# KiCad board S13552_64Ch_Adapter_BGA2803_V2-Pannel.kicad_pcb (continued)
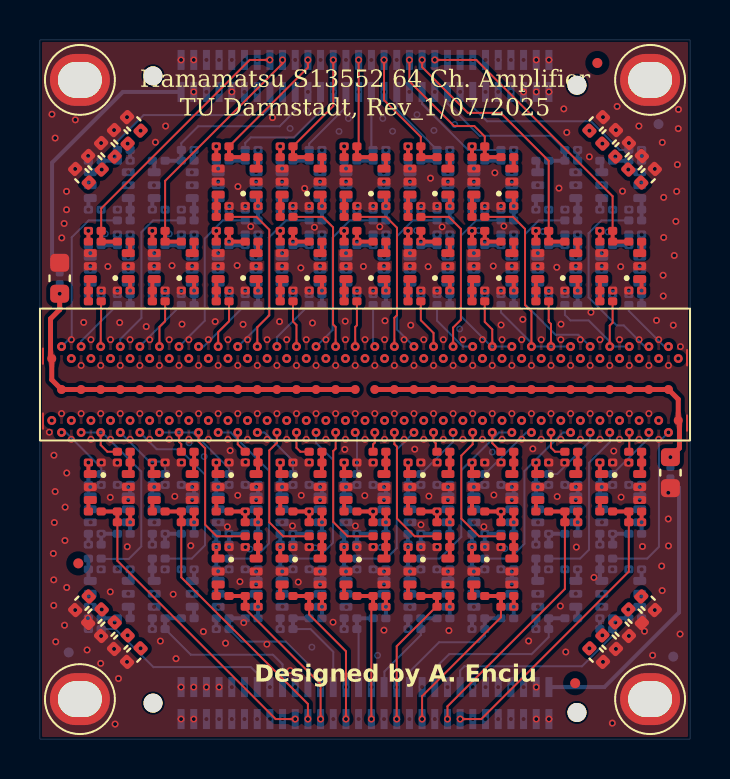
[diagram p0: board, top side]
## Routing (per net, layer and track width the routed paths; a pad name or vN(x,y) marks a point on that pad's centre or on a via; arc(x,y) is an arc through that point) (continued)
Ch_50: length 7.1
  In2.Cu w0.1: v2(7.45,15.95) 7.45,17.08 arc(7.49,17.27) 7.6,17.44 7.79,17.63 arc(7.9,17.8) 7.94,17.99 v1(7.94,19.65)
  Bottom w0.1: v1(7.94,19.65) 8.19,19.65 C238.1
Ch_51: length 4.9
  Top w0.1: v2(6.96,15.35) 6.96,14.88 7.08,14.77 C93.1
  In2.Cu w0.1: v2(7.45,19.05) 7.45,18.08 arc(7.41,17.89) 7.3,17.72 7.11,17.53 arc(7,17.36) 6.96,17.17 v2(6.96,15.35)
Ch_52: length 12.2
  In2.Cu w0.1: v2(6.47,15.95) 6.47,17.19 arc(6.51,17.38) 6.62,17.55 6.81,17.74 arc(6.92,17.91) 6.96,18.1 v1(6.96,19.65)
  Bottom w0.1: v1(6.96,19.65) 8.25,20.94 8.25,25.06 9.16,25.96 C253.1
Ch_53: length 8.4
  In2.Cu w0.1: v1(5.98,15.35) 5.98,17.16 arc(6.02,17.35) 6.13,17.52 6.32,17.71 arc(6.43,17.88) 6.47,18.07 v2(6.47,19.05)
  Bottom w0.1: C203.1 9.46,13.54 7.66,15.35 v1(5.98,15.35)
Ch_54: length 6.2
  Top w0.1: C63.1 6.27,20.91 5.98,20.63 v2(5.98,19.65)
  In2.Cu w0.1: v2(5.49,15.95) 5.49,17.18 arc(5.53,17.37) 5.64,17.54 5.83,17.73 arc(5.94,17.9) 5.98,18.09 v2(5.98,19.65)
Ch_55: length 13.8
  In2.Cu w0.1: v2(5.49,19.05) 5.49,18.2 arc(5.45,18.01) 5.34,17.84 5.15,17.65 arc(5.04,17.48) 5,17.29 v1(5,15.35)
  Bottom w0.1: C168.1 7.6,9.03 8.26,9.7 8.26,13.24 6.99,14.51 5.84,14.51 v1(5,15.35)
Ch_56: length 6.8
  In2.Cu w0.1: v2(4.51,15.95) 4.51,17.59 arc(4.55,17.78) 4.66,17.95 4.85,18.14 arc(4.96,18.31) 5,18.5 v1(5,19.65)
  Bottom w0.1: v1(5,19.65) 5,19.67 7.07,21.73 C243.1
Ch_57: length 7.2
  In2.Cu w0.1: v1(4.02,15.35) 4.02,17.66 arc(4.06,17.85) 4.17,18.02 4.36,18.21 arc(4.47,18.38) 4.51,18.57 v2(4.51,19.05)
  Bottom w0.1: C268.1 6.27,13.64 6.02,13.89 5.48,13.89 v1(4.02,15.35)
Ch_58: length 12.3
  In2.Cu w0.1: v1(4.02,19.65) 4.02,18.66 arc(3.98,18.47) 3.87,18.3 3.68,18.11 arc(3.57,17.94) 3.53,17.75 v2(3.53,15.95)
  Bottom w0.1: C293.1 5.67,25.96 5.08,25.38 5.08,21.08 4.02,20.02 v1(4.02,19.65)
Ch_59: length 5.5
  Top w0.1: v2(3.04,15.35) 3.04,14.72 3.38,14.38 C133.1
  In2.Cu w0.1: v2(3.04,15.35) 3.04,17.89 arc(3.08,18.08) 3.19,18.25 3.38,18.44 arc(3.49,18.61) 3.53,18.8 v2(3.53,19.05)
Ch_60: length 6.2
  Top w0.1: v2(3.04,19.65) 3.04,20.91 3.06,20.93 3.06,21.91 C3.1
  In2.Cu w0.1: 3.09,19.56 3.04,19.61 v2(3.04,19.65) 3.04,18.89 arc(3,18.7) 2.89,18.53 2.7,18.34 arc(2.59,18.17) 2.55,17.98 v2(2.55,15.95)
Ch_61: length 13.7
  In2.Cu w0.1: v1(2.06,15.35) 2.06,18 arc(2.1,18.19) 2.21,18.36 2.4,18.55 arc(2.51,18.72) 2.55,18.91 v2(2.55,19.05)
  Bottom w0.1: v1(2.06,15.35) 3.11,15.35 5.07,13.39 5.07,9.64 4.45,9.02 3.08,9.02 C298.1
Ch_62: length 6.7
  In2.Cu w0.1: v1(2.06,19.65) 2.06,19.01 arc(2.02,18.82) 1.91,18.65 1.72,18.46 arc(1.61,18.29) 1.57,18.1 v2(1.57,15.95)
  Bottom w0.1: v1(2.06,19.65) 2.06,19.92 C228.1
Ch_63: length 6.9
  In2.Cu w0.1: v2(1.57,19.05) 1.23,18.71 arc(1.12,18.54) 1.08,18.35 v1(1.08,15.35)
  Bottom w0.1: v1(1.08,15.35) 1.3,15.35 3.07,13.58 3.07,13.27 C148.1
Ch_64: length 12.2
  In2.Cu w0.1: v1(1.08,19.65) 0.74,19.31 arc(0.63,19.14) 0.59,18.95 v2(0.59,15.95)
  Bottom w0.1: C183.1 2.44,25.96 1.59,25.12 1.59,20.16 v1(1.08,19.65)
HV_1-64: length 14.9
  Bottom w0.2: J2.59 28.25,2.6 31.99,6.34 31.99,12.58 R1.2
HV_65-128: length 13.5
  Bottom w0.2: R2.2 0.61,23.77 0.61,28.86 4.15,32.4 J1.02
out_Ch_1: length 11.6
  Bottom w0.1: R66.1 28.66,5.17 27.13,3.64 21.24,3.64 21.03,3.43 J2.45 21.03,3.35
  Bottom w0.2: R66.1 C312.1 C311.2
out_Ch_2: length 13.3
  In2.Cu w0.1: v16(21.03,32.4) 21.03,32.4 22.34,32.4 R44.1 v16(29.47,24.72)
  Bottom w0.2: R44.1 v16(29.47,24.72) C201.2
out_Ch_3: length 12.8
  In2.Cu w0.1: v16(28.66,10.27) 28.66,8.04 23.22,2.6 v16(21.67,2.6)
  Bottom w0.2: R57.1 v16(28.66,10.27) C266.2
out_Ch_4: length 10.8
  Bottom w0.1: R49.1 29.02,29.49 27.58,30.93 22.38,30.93 21.67,31.64 J1.48
  Bottom w0.2: R49.1 C227.1 C226.2
out_Ch_5: length 15.3
  Top w0.1: R24.1 29.47,8.38 22.09,1 v3(21.03,1)
  Top w0.2: C101.2 C102.1 R24.1
out_Ch_6: length 11.7
  In2.Cu w0.1: v16(19.76,32.4) 19.76,32.39 26.27,25.87 v16(26.27,24.72)
  Bottom w0.2: R61.1 v16(26.27,24.72) C286.2
out_Ch_7: length 9
  Bottom w0.1: J2.41 19.76,3.53 20.48,4.25 24.61,4.25 25.46,5.1 R62.1
  Bottom w0.2: C291.2 C292.1 R62.1
out_Ch_8: length 14.8
  Top w0.1: R12.1 28.66,27.17 21.84,34 v3(19.76,34)
  Top w0.2: R12.1 C42.1 C41.2
out_Ch_9: length 11.3
  In2.Cu w0.1: v16(25.46,10.27) 25.46,7.3 20.76,2.6 v16(20.4,2.6)
  Bottom w0.2: C261.2 v16(25.46,10.27) R56.1
out_Ch_10: length 8.8
  Bottom w0.1: J1.44 20.4,31.81 22.01,30.2 25.57,30.2 R65.1
  Bottom w0.2: R65.1 C307.1 C306.2
out_Ch_11: length 7
  Bottom w0.1: J2.37 18.5,2.61 18.5,3.37 19.98,4.85 21.96,4.85 22.27,5.15 R68.1
  Bottom w0.2: C321.2 C322.1 R68.1
out_Ch_12: length 10.9
  In2.Cu w0.1: v16(18.49,32.4) 18.49,31.82 23.08,27.23 v16(23.08,24.72)
  Bottom w0.2: C216.2 v16(23.08,24.72) R47.1
out_Ch_13: length 13.6
  Top w0.1: v3(20.4,1) 20.4,1.64 26.27,7.51 R19.1
  Top w0.2: C76.2 C77.1 R19.1
out_Ch_14: length 13.5
  Top w0.1: R11.1 25.46,28.94 23.06,31.35 21.42,31.35 19.13,33.64 v3(19.13,34)
  Top w0.2: R11.1 C37.1 C36.2
out_Ch_15: length 10.3
  In2.Cu w0.1: v16(19.13,2.6) 19.13,3.43 22.27,6.56 v16(22.27,10.27)
  Bottom w0.2: R42.1 v16(22.27,10.27) C191.2
out_Ch_16: length 7.8
  Top w0.1: R18.1 22.27,30.16 21.74,30.69 20.73,30.69 18.49,32.93 v3(18.49,34)
  Top w0.2: R18.1 C72.1 C71.2
out_Ch_17: length 5
  Bottom w0.1: J2.33 17.24,2.62 17.24,3.38 19.06,5.2 R35.1
  Bottom w0.2: C156.2 C157.1 R35.1
out_Ch_18: length 6.9
  Bottom w0.1: R59.1 21.42,29.49 19.13,31.79 J1.40
  Bottom w0.2: C276.2 C277.1 R59.1
out_Ch_19: length 13.1
  Top w0.2: C81.2 v17(23.08,11.39) R20.1
  In2.Cu w0.1: v17(23.08,11.39) 23.08,6.27 19.76,2.96 v16(19.76,1)
out_Ch_20: length 12.3
  Top w0.2: R10.1 v17(22.27,24.9) C31.2
  In2.Cu w0.1: v17(22.27,24.9) 22.27,26.44 18.6,30.1 17.87,30.83 17.87,33.99 v16(17.86,34)
out_Ch_21: length 8.6
  Top w0.1: R30.1 23.08,6.09 19.13,2.15 v3(19.13,1)
  Top w0.2: R30.1 C132.1 C131.2
out_Ch_22: length 9.9
  In2.Cu w0.1: v16(19.88,25.26) 19.88,26.96 17.33,29.51 17.33,32.29 v16(17.22,32.4)
  Bottom w0.2: C161.2 C162.1 ; C162.1 v16(19.88,25.26) ; C162.1 19.88,25.07
out_Ch_23: length 9.5
  In2.Cu w0.1: v16(19.06,10.27) 19.06,5.46 17.86,4.26 v16(17.86,2.6)
  Bottom w0.2: R37.1 v16(19.06,10.27) C166.2
out_Ch_24: length 6.4
  Top w0.1: R16.1 19.06,30.14 17.22,31.99 v3(17.22,34)
  Top w0.2: C61.2 C62.1 R16.1
out_Ch_25: length 12.3
  Top w0.2: C86.2 v17(19.88,11.39) R21.1
  In2.Cu w0.1: v17(19.88,11.39) 19.88,5.12 18.49,3.74 v16(18.49,1)
out_Ch_26: length 11.5
  Top w0.2: R9.1 v17(19.06,24.9) C26.2
  In2.Cu w0.1: v17(19.06,24.9) 19.06,26.23 16.77,28.53 16.77,33.04 16.59,33.22 v16(16.59,34)
out_Ch_27: length 4.3
  Bottom w0.1: J2.29 15.95,2.6 15.95,5.42 R33.1
  Bottom w0.2: R33.1 C147.1 C146.2
out_Ch_28: length 5.1
  Bottom w0.1: J1.36 17.86,31.51 R40.1
  Bottom w0.2: C181.2 C182.1 R40.1
out_Ch_29: length 7.8
  Top w0.1: v3(17.86,1) 17.86,4.65 19.83,6.62 R28.1
  Top w0.2: C121.2 C122.1 R28.1
out_Ch_30: length 5.8
  Top w0.1: v3(15.95,34) 15.95,29.67 R15.1
  Top w0.2: R15.1 C57.1 C56.2
out_Ch_31: length 12.4
  Top w0.2: R32.1 v17(16.67,11.39) C141.2
  In2.Cu w0.1: v17(16.67,11.39) R32.1 17.75,9.78 17.75,5.27 17.22,4.74 v16(17.22,1)
out_Ch_32: length 9.3
  In2.Cu w0.1: v16(15.95,32.4) 15.95,30.58 16.24,30.29 16.24,26.33 16.67,25.89 v16(16.67,24.72)
  Bottom w0.2: R43.1 v16(16.67,24.72) C196.2
out_Ch_33: length 9.3
  In2.Cu w0.1: v16(16.59,2.6) 16.34,2.85 16.34,8.68 15.86,9.15 v16(15.86,10.27)
  Bottom w0.2: R67.1 v16(15.86,10.27) C316.2
out_Ch_34: length 10.7
  Top w0.2: C21.2 v17(15.86,24.9) R8.1
  In2.Cu w0.1: v17(15.86,24.9) R8.1 15.65,25.66 15.65,29.88 15.32,30.21 v16(15.32,34)
out_Ch_35: length 7
  Top w0.1: R22.1 16.59,6.54 v3(16.59,1)
  Top w0.2: C91.2 C92.1 R22.1
out_Ch_36: length 6.5
  Top w0.1: R14.1 14.68,31.69 v3(14.68,34)
  Top w0.2: R14.1 C52.1 C51.2
out_Ch_37: length 5.6
  Bottom w0.1: R54.1 13.55,5.5 14.68,4.37 J2.25
  Bottom w0.2: R54.1 C252.1 C251.2
out_Ch_38: length 4.3
  Bottom w0.1: J1.32 16.59,29.58 R60.1
  Bottom w0.2: C281.2 C282.1 R60.1
out_Ch_39: length 12.8
  Top w0.2: R29.1 v17(13.47,11.39) C126.2
  In2.Cu w0.1: v16(15.95,1) 15.84,1.11 15.84,7.5 13.47,9.86 v17(13.47,11.39)
out_Ch_40: length 11
  Top w0.2: C16.2 v17(12.66,24.9) R7.1
  In2.Cu w0.1: v16(14.05,34) 14.05,27.55 12.66,26.16 v17(12.66,24.9)
out_Ch_41: length 7.7
  Top w0.1: R26.1 13.47,6.23 15.32,4.39 v3(15.32,1)
  Top w0.2: R26.1 C112.1 C111.2
out_Ch_42: length 9.5
  In2.Cu w0.1: v16(14.68,32.4) 14.68,32.4 14.68,26.47 R48.1 v16(13.47,24.72)
  Bottom w0.2: C221.2 v16(13.47,24.72) R48.1
out_Ch_43: length 10.1
  In2.Cu w0.1: v16(15.32,2.6) 15.32,6.22 12.66,8.87 v16(12.66,10.27)
  Bottom w0.2: R39.1 v16(12.66,10.27) C176.2
out_Ch_44: length 7.3
  Top w0.1: v3(13.41,34) 13.41,33.62 R13.1
  Top w0.2: C46.2 C47.1 R13.1
out_Ch_45: length 13.6
  Top w0.2: R25.1 v17(10.27,11.39) C106.2
  In2.Cu w0.1: v16(14.68,1) 14.68,3.96 10.27,8.36 v17(10.27,11.39)
out_Ch_46: length 5
  Bottom w0.1: J1.28 15.32,31.65 13.47,29.8 R46.1
  Bottom w0.2: C211.2 C212.1 R46.1
out_Ch_47: length 7.2
  Bottom w0.1: R51.1 10.09,4.88 12.3,4.88 13.41,3.77 J2.21
  Bottom w0.2: C236.2 C237.1 R51.1
out_Ch_48: length 11.8
  Top w0.2: C11.2 v17(9.46,24.9) R6.1
  In2.Cu w0.1: v17(9.46,24.9) 9.46,26.51 12.78,29.82 v16(12.78,34)
out_Ch_49: length 8.5
  Top w0.1: v3(14.05,1) 14.05,2.75 10.27,6.52 R27.1
  Top w0.2: C116.2 C117.1 R27.1
out_Ch_50: length 10.3
  In2.Cu w0.1: v16(10.27,24.72) R52.1 13.41,28.4 v16(13.41,32.4)
  Bottom w0.2: C241.2 v16(10.27,24.72) R52.1
out_Ch_51: length 13.8
  Top w0.1: v3(13.41,1) 13.41,1.76 7.08,8.09 R23.1
  Top w0.2: C96.2 C97.1 R23.1
out_Ch_52: length 7.1
  Bottom w0.1: R55.1 10.27,29.84 10.55,30.12 12.72,30.12 14.05,31.45 J1.24
  Bottom w0.2: R55.1 C257.1 C256.2
out_Ch_53: length 10.9
  In2.Cu w0.1: v16(9.46,10.27) 9.46,7.18 v16(14.05,2.6)
  Bottom w0.2: R45.1 v16(9.46,10.27) C206.2
out_Ch_54: length 12.3
  Top w0.1: v3(12.14,34) 12.14,33.82 6.27,27.94 R17.1
  Top w0.2: R17.1 C67.1 C66.2
out_Ch_55: length 9.1
  Bottom w0.1: J2.17 12.14,3.74 11.66,4.22 7.55,4.22 R38.1
  Bottom w0.2: C171.2 C172.1 R38.1
out_Ch_56: length 10.6
  In2.Cu w0.1: v16(12.14,32.4) 12.14,30.53 7.08,25.46 v16(7.08,25.26)
  Bottom w0.2: C246.2 C247.1 v16(7.08,25.26)
out_Ch_57: length 12
  In2.Cu w0.1: v16(12.78,2.6) 12.27,2.6 6.27,8.6 v16(6.27,10.27)
  Bottom w0.2: C271.2 v16(6.27,10.27) R58.1
out_Ch_58: length 9
  Bottom w0.1: R63.1 7.08,29.83 7.92,30.68 12,30.68 12.78,31.46 J1.20
  Bottom w0.2: R63.1 C297.1 C296.2
out_Ch_59: length 15.5
  Top w0.1: v3(12.78,1) 11.8,1 3.88,8.92 R31.1
  Top w0.2: R31.1 C137.1 C136.2
out_Ch_60: length 14
  Top w0.1: v3(11.51,34) 10.5,34 3.06,26.56 R201.1
  Top w0.2: R201.1 C7.1 C6.2
out_Ch_61: length 10.8
  Bottom w0.1: R64.1 3.77,5.5 5.68,3.6 10.56,3.6 10.87,3.29 J2.13
  Bottom w0.2: C301.2 C302.1 R64.1
out_Ch_62: length 11.7
  In2.Cu w0.1: v16(3.88,25.26) 3.88,25.63 10.64,32.4 v16(10.87,32.4)
  Bottom w0.2: C231.2 C232.1 v16(3.88,25.26) 3.88,25.07
out_Ch_63: length 13.3
  In2.Cu w0.1: v16(11.51,2.6) 10.18,2.6 3.06,9.71 v16(3.06,10.27)
  Bottom w0.2: C151.2 v16(3.06,10.27) R34.1
out_Ch_64: length 10.9
  Bottom w0.1: R41.1 3.88,29.92 5.19,31.24 11.15,31.24 11.51,31.6 J1.16
  Bottom w0.2: C186.2 C187.1 R41.1
Net-(C1-Pad1): length 19
  Top w0.25: MPPC1.HV_1-64 MPPC1.HV_1-64 31.95,17.01 31.95,15.95 32.01,15.89 32.01,14.57 v3(31.56,14.11)
  Bottom w0.25: v3(31.56,14.11) R1.1
Net-(C2-Pad1): length 20.4
  Top w0.25: v3(0.99,22.29) 0.99,21.5 0.53,21.04 0.53,19.11 MPPC1.HV_65-128 0.59,17.99 MPPC1.HV_65-128 MPPC1.HV_65-128
  Bottom w0.2: v3(0.99,22.29) R2.1
Net-(C3-Pad2): length 1.2
  Top w0.2: U201.6 2.42,22.93 C5.2 C3.2
Net-(C6-Pad1): length 0.6
  Top w0.1: 4.52,24.42 U201.3
  Top w0.2: C6.1 4.52,24.42
Net-(C10-Pad2): length 1.2
  Top w0.2: U4.6 8.83,22.93 C10.2 C8.2
Net-(C11-Pad1): length 0.6
  Top w0.2: U4.3 10.91,24.42 C11.1
Net-(C13-Pad2): length 1.2
  Top w0.2: C13.2 12.02,22.93 U5.6
Net-(C16-Pad1): length 0.6
  Top w0.2: U5.3 14.11,24.42 C16.1
Net-(C18-Pad2): length 1.2
  Top w0.2: U6.6 15.22,22.93 C18.2
Net-(C21-Pad1): length 0.6
  Top w0.2: C21.1 17.31,24.42 U6.3
Net-(C23-Pad2): length 1.2
  Top w0.2: C23.2 18.42,22.93 U7.6
Net-(C26-Pad1): length 0.6
  Top w0.2: U7.3 20.52,24.42 C26.1
Net-(C28-Pad2): length 1.2
  Top w0.2: C28.2 21.62,22.93 U8.6
Net-(C31-Pad1): length 0.6
  Top w0.2: U8.3 23.71,24.42 C31.1
Net-(C33-Pad2): length 1.2
  Top w0.2: C33.2 24.83,22.93 U9.6
Net-(C36-Pad1): length 0.6
  Top w0.2: U9.3 26.91,24.42 C36.1
Net-(C38-Pad2): length 1.2
  Top w0.2: C38.2 28.02,22.93 U10.6
Net-(C41-Pad1): length 0.6
  Top w0.2: U10.3 30.11,24.42 C41.1
Net-(C43-Pad2): length 1.2
  Top w0.2: U11.6 8.83,27.16 C45.2 C43.2
Net-(C46-Pad1): length 0.6
  Top w0.2: U11.3 10.91,28.65 C46.1
Net-(C48-Pad2): length 1.2
  Top w0.2: C48.2 12.02,27.16 U12.6
Net-(C51-Pad1): length 0.6
  Top w0.2: C51.1 14.11,28.65 U12.3
Net-(C53-Pad2): length 1.2
  Top w0.2: U13.6 15.22,27.16 C53.2
Net-(C56-Pad1): length 0.6
  Top w0.2: C56.1 17.31,28.65 U13.3
Net-(C58-Pad2): length 1.2
  Top w0.2: C58.2 18.42,27.16 U14.6
Net-(C61-Pad1): length 0.6
  Top w0.2: C61.1 20.52,28.65 U14.3
Net-(C63-Pad2): length 1.2
  Top w0.2: U15.6 5.62,22.93 C65.2 C63.2
Net-(C66-Pad1): length 0.6
  Top w0.2: C66.1 7.71,24.42 U15.3
Net-(C68-Pad2): length 1.2
  Top w0.2: U16.6 21.62,27.16 C68.2
Net-(C71-Pad1): length 0.6
  Top w0.2: C71.1 23.71,28.65 U16.3
Net-(C73-Pad2): length 1.2
  Top w0.2: C73.2 26.91,13.36 U17.6
Net-(C76-Pad1): length 0.6
  Top w0.2: U17.3 24.83,11.87 C76.1
Net-(C78-Pad2): length 1.2
  Top w0.2: U18.6 23.71,13.36 C78.2
Net-(C81-Pad1): length 0.6
  Top w0.2: C81.1 21.62,11.87 U18.3
Net-(C83-Pad2): length 1.2
  Top w0.2: U19.6 20.52,13.36 C83.2
Net-(C86-Pad1): length 0.6
  Top w0.2: C86.1 18.42,11.87 U19.3
Net-(C88-Pad2): length 1.2
  Top w0.2: U20.6 17.31,9.13 C88.2
Net-(C91-Pad1): length 0.6
  Top w0.2: U20.3 15.22,7.64 C91.1
Net-(C93-Pad2): length 1.2
  Top w0.2: C93.2 7.71,13.36 U21.6
Net-(C96-Pad1): length 0.6
  Top w0.2: U21.3 5.62,11.87 C96.1
Net-(C100-Pad2): length 1.2
  Top w0.2: U22.6 30.11,13.36 C98.2
Net-(C101-Pad1): length 0.6
  Top w0.2: C101.1 28.02,11.87 U22.3
Net-(C103-Pad2): length 1.2
  Top w0.2: C103.2 10.91,13.36 U23.6
Net-(C106-Pad1): length 0.6
  Top w0.2: C106.1 8.83,11.87 U23.3
Net-(C108-Pad2): length 1.2
  Top w0.2: C108.2 14.11,9.13 U24.6
Net-(C111-Pad1): length 0.6
  Top w0.2: C111.1 12.02,7.64 U24.3
Net-(C113-Pad2): length 1.2
  Top w0.2: C113.2 10.91,9.13 U25.6
Net-(C116-Pad1): length 0.6
  Top w0.2: C116.1 8.83,7.64 U25.3
Net-(C118-Pad2): length 1.2
  Top w0.2: C118.2 20.52,9.13 U26.6
Net-(C121-Pad1): length 0.6
  Top w0.2: C121.1 18.42,7.64 U26.3
Net-(C123-Pad2): length 1.2
  Top w0.2: U27.6 14.11,13.36 C123.2
Net-(C126-Pad1): length 0.6
  Top w0.2: U27.3 12.02,11.87 C126.1
Net-(C128-Pad2): length 1.2
  Top w0.2: U28.6 23.71,9.13 C128.2
Net-(C131-Pad1): length 0.6
  Top w0.2: U28.3 21.62,7.64 C131.1
Net-(C133-Pad2): length 1.2
  Top w0.2: U29.6 4.52,13.36 C133.2
Net-(C136-Pad1): length 0.6
  Top w0.2: C136.1 2.42,11.87 U29.3
Net-(C138-Pad2): length 1.2
  Top w0.2: C138.2 17.31,13.36 U30.6
Net-(C141-Pad1): length 0.6
  Top w0.2: C141.1 15.22,11.87 U30.3
Net-(C143-Pad2): length 1.2
  Bottom w0.2: C143.2 15.22,8.01 U31.6
Net-(C146-Pad1): length 0.6
  Bottom w0.2: C146.1 17.31,6.52 U31.3
Net-(C148-Pad2): length 1.2
  Bottom w0.2: C148.2 2.42,12.24 U32.6
Net-(C151-Pad1): length 0.6
  Bottom w0.2: C151.1 4.52,10.75 4.42,10.85
Net-(C153-Pad2): length 1.2
  Bottom w0.2: U33.6 18.42,8.01 C153.2
Net-(C156-Pad1): length 0.6
  Bottom w0.2: U33.3 20.52,6.52 C156.1
Net-(C158-Pad2): length 1.2
  Bottom w0.2: C158.2 20.52,22.75 20.42,22.85
Net-(C161-Pad1): length 0.6
  Bottom w0.2: C161.1 18.52,24.63 U34.3
Net-(C163-Pad2): length 1.2
  Bottom w0.2: U35.6 18.42,12.24 C163.2
Net-(C166-Pad1): length 0.6
  Bottom w0.2: 20.42,10.85 20.52,10.75 C166.1
Net-(C168-Pad2): length 1.2
  Bottom w0.2: C168.2 5.62,8.01 U36.6
Net-(C171-Pad1): length 0.6
  Bottom w0.2: C171.1 7.71,6.52 U36.3
Net-(C173-Pad2): length 1.2
  Bottom w0.2: C173.2 12.02,12.24 U37.6
Net-(C176-Pad1): length 0.6
  Bottom w0.2: 14.02,10.85 14.11,10.75 C176.1
Net-(C178-Pad2): length 1.2
  Bottom w0.2: C178.2 20.52,26.98 U38.6
Net-(C181-Pad1): length 0.6
  Bottom w0.2: U38.3 18.52,28.86 C181.1
Net-(C183-Pad2): length 1.2
  Bottom w0.2: C183.2 4.52,26.98 U39.6
Net-(C186-Pad1): length 0.6
  Bottom w0.2: C186.1 2.52,28.86 U39.3
Net-(C188-Pad2): length 1.2
  Bottom w0.2: U40.6 21.62,12.24 C188.2
Net-(C191-Pad1): length 0.6
  Bottom w0.2: 23.62,10.85 23.71,10.75 C191.1
Net-(C193-Pad2): length 1.2
  Bottom w0.2: C193.2 17.31,22.75 17.22,22.85
Net-(C196-Pad1): length 0.6
  Bottom w0.2: U41.3 15.32,24.63 C196.1
Net-(C198-Pad2): length 1.2
  Bottom w0.2: 30.02,22.85 30.11,22.75 C198.2
Net-(C201-Pad1): length 0.6
  Bottom w0.2: C201.1 28.02,24.24 U42.3
Net-(C203-Pad2): length 1.2
  Bottom w0.2: U43.6 8.83,12.24 C203.2
Net-(C206-Pad1): length 0.6
  Bottom w0.2: 10.82,10.85 10.91,10.75 C206.1
Net-(C208-Pad2): length 1.2
  Bottom w0.2: C208.2 14.11,26.98 U44.6
Net-(C211-Pad1): length 0.6
  Bottom w0.2: U44.3 12.12,28.86 C211.1
Net-(C213-Pad2): length 1.2
  Bottom w0.2: C213.2 23.71,22.75 23.62,22.85
Net-(C216-Pad1): length 0.6
  Bottom w0.2: U45.3 21.72,24.63 C216.1
Net-(C218-Pad2): length 1.2
  Bottom w0.2: C218.2 14.11,22.75 14.02,22.85
Net-(C221-Pad1): length 0.6
  Bottom w0.2: C221.1 12.02,24.24 U46.3
Net-(C223-Pad2): length 1.2
  Bottom w0.2: U47.6 30.11,26.98 C223.2
Net-(C226-Pad1): length 0.6
  Bottom w0.2: C226.1 28.12,28.86 U47.3
Net-(C228-Pad2): length 1.2
  Bottom w0.2: C228.2 4.52,22.75 4.42,22.85
Net-(C231-Pad1): length 0.6
  Bottom w0.2: U48.3 2.52,24.63 C231.1
Net-(C233-Pad2): length 1.2
  Bottom w0.2: C233.2 8.83,8.01 U49.6
Net-(C236-Pad1): length 0.6
  Bottom w0.2: U49.3 10.91,6.52 C236.1
Net-(C238-Pad2): length 1.2
  Bottom w0.2: C238.2 10.91,22.75 10.82,22.85
Net-(C241-Pad1): length 0.6
  Bottom w0.2: C241.1 8.83,24.24 U50.3
Net-(C243-Pad2): length 1.2
  Bottom w0.2: C243.2 C245.2 7.71,22.75 7.62,22.85
Net-(C246-Pad1): length 0.6
  Bottom w0.2: U51.3 5.62,24.24 C246.1
Net-(C248-Pad2): length 1.2
  Bottom w0.2: C248.2 12.02,8.01 U52.6
Net-(C251-Pad1): length 0.6
  Bottom w0.2: U52.3 14.11,6.52 C251.1
Net-(C253-Pad2): length 1.2
  Bottom w0.2: U53.6 10.91,26.98 C253.2
Net-(C256-Pad1): length 0.6
  Bottom w0.2: U53.3 8.92,28.86 C256.1
Net-(C258-Pad2): length 1.2
  Bottom w0.2: U54.6 24.83,12.24 C258.2
Net-(C261-Pad1): length 0.6
  Bottom w0.2: 26.82,10.85 26.91,10.75 C261.1
Net-(C263-Pad2): length 1.2
  Bottom w0.2: C263.2 28.02,12.24 U55.6
Net-(C266-Pad1): length 0.6
  Bottom w0.2: 30.02,10.85 30.11,10.75 C266.1
Net-(C268-Pad2): length 1.2
  Bottom w0.2: C268.2 5.62,12.24 U56.6
Net-(C271-Pad1): length 0.6
  Bottom w0.2: C271.1 7.71,10.75 7.62,10.85
Net-(C273-Pad2): length 1.2
  Bottom w0.2: U57.6 23.71,26.98 C273.2
Net-(C276-Pad1): length 0.6
  Bottom w0.2: C276.1 21.72,28.86 U57.3
Net-(C278-Pad2): length 1.2
  Bottom w0.2: U58.6 17.31,26.98 C278.2
Net-(C281-Pad1): length 0.6
  Bottom w0.2: U58.3 15.32,28.86 C281.1
Net-(C283-Pad2): length 1.2
  Bottom w0.2: C283.2 26.91,22.75 26.82,22.85
Net-(C286-Pad1): length 0.6
  Bottom w0.2: U59.3 24.92,24.63 C286.1
Net-(C288-Pad2): length 1.2
  Bottom w0.2: U60.6 24.83,8.01 C288.2
Net-(C291-Pad1): length 0.6
  Bottom w0.2: U60.3 26.91,6.52 C291.1
Net-(C293-Pad2): length 1.2
  Bottom w0.2: C293.2 7.71,26.98 U61.6
Net-(C296-Pad1): length 0.6
  Bottom w0.2: U61.3 5.72,28.86 C296.1
Net-(C298-Pad2): length 1.2
  Bottom w0.2: C298.2 2.42,8.01 U62.6
Net-(C301-Pad1): length 0.6
  Bottom w0.2: U62.3 4.52,6.52 C301.1
Net-(C303-Pad2): length 1.2
  Bottom w0.2: U63.6 26.91,26.98 C303.2
Net-(C306-Pad1): length 0.6
  Bottom w0.2: U63.3 24.92,28.86 C306.1
Net-(C308-Pad2): length 1.2
  Bottom w0.2: C308.2 28.02,8.01 U64.6
Net-(C311-Pad1): length 0.6
  Bottom w0.2: U64.3 30.11,6.52 C311.1
Net-(C313-Pad2): length 1.2
  Bottom w0.2: U65.6 15.22,12.24 C313.2
Net-(C316-Pad1): length 0.6
  Bottom w0.2: C316.1 17.31,10.75 17.22,10.85
Net-(C318-Pad2): length 1.2
  Bottom w0.2: C318.2 21.62,8.01 U66.6
Net-(C321-Pad1): length 0.6
  Bottom w0.2: U66.3 23.71,6.52 C321.1

## Copper pours and planes (outline as drawn; the poured copper is in the pictures)
+1V1 on 1V1_In6.Cu: -1.93,37.06 34.54,37.06 34.54,-0.89 -1.93,-0.89
+3V3 on 3V3_In4.Cu: -1.57,36.7 34.31,36.7 34.31,-1.41 -1.57,-1.41
GND on Top: -2.03,19.42 33.62,19.42 33.62,15.49 -2.03,15.49
GND on Top, Bottom, GND_In1.Cu, In2.Cu, GND_In3.Cu, GND_In5.Cu, GND_In7.Cu, GND_In8.Cu: -1.31,36.31 34.02,36.31 34.02,-1.09 -1.31,-1.09

Small or netless copper shapes (teardrops, artwork), in the pictures only: 72 on Top, 76 on Bottom, 184 on In2.Cu

## Text on the board
F.Silkscreen: Hamamatsu S13552 64 Ch. Amplifier / TU Darmstadt, Rev_1/07/2025 | Designed by A. Enciu
